# Altium PCB S7CAS-PLEIADES-CARTE-MERE_Pxx.PcbDoc (part 1 of 8)
Units mil, origin at the board's own origin, x right, y up, seen from the top; angles counter-clockwise.
Board outline 8000 x 4000 mil, 14 copper layers (L1, L2 (GND), L3, L4 (GND), L5, L6 (GND), L7 (PWR), L8 (GND), L9 (PWR), L10 (GND), L11 (GND), L12, L13 (GND), L14), stack 81.971 mil thick; 686 components, 434 nets, 2811 pads, 1136 vias.
Unrouted connection lines stored in the file: 1167.
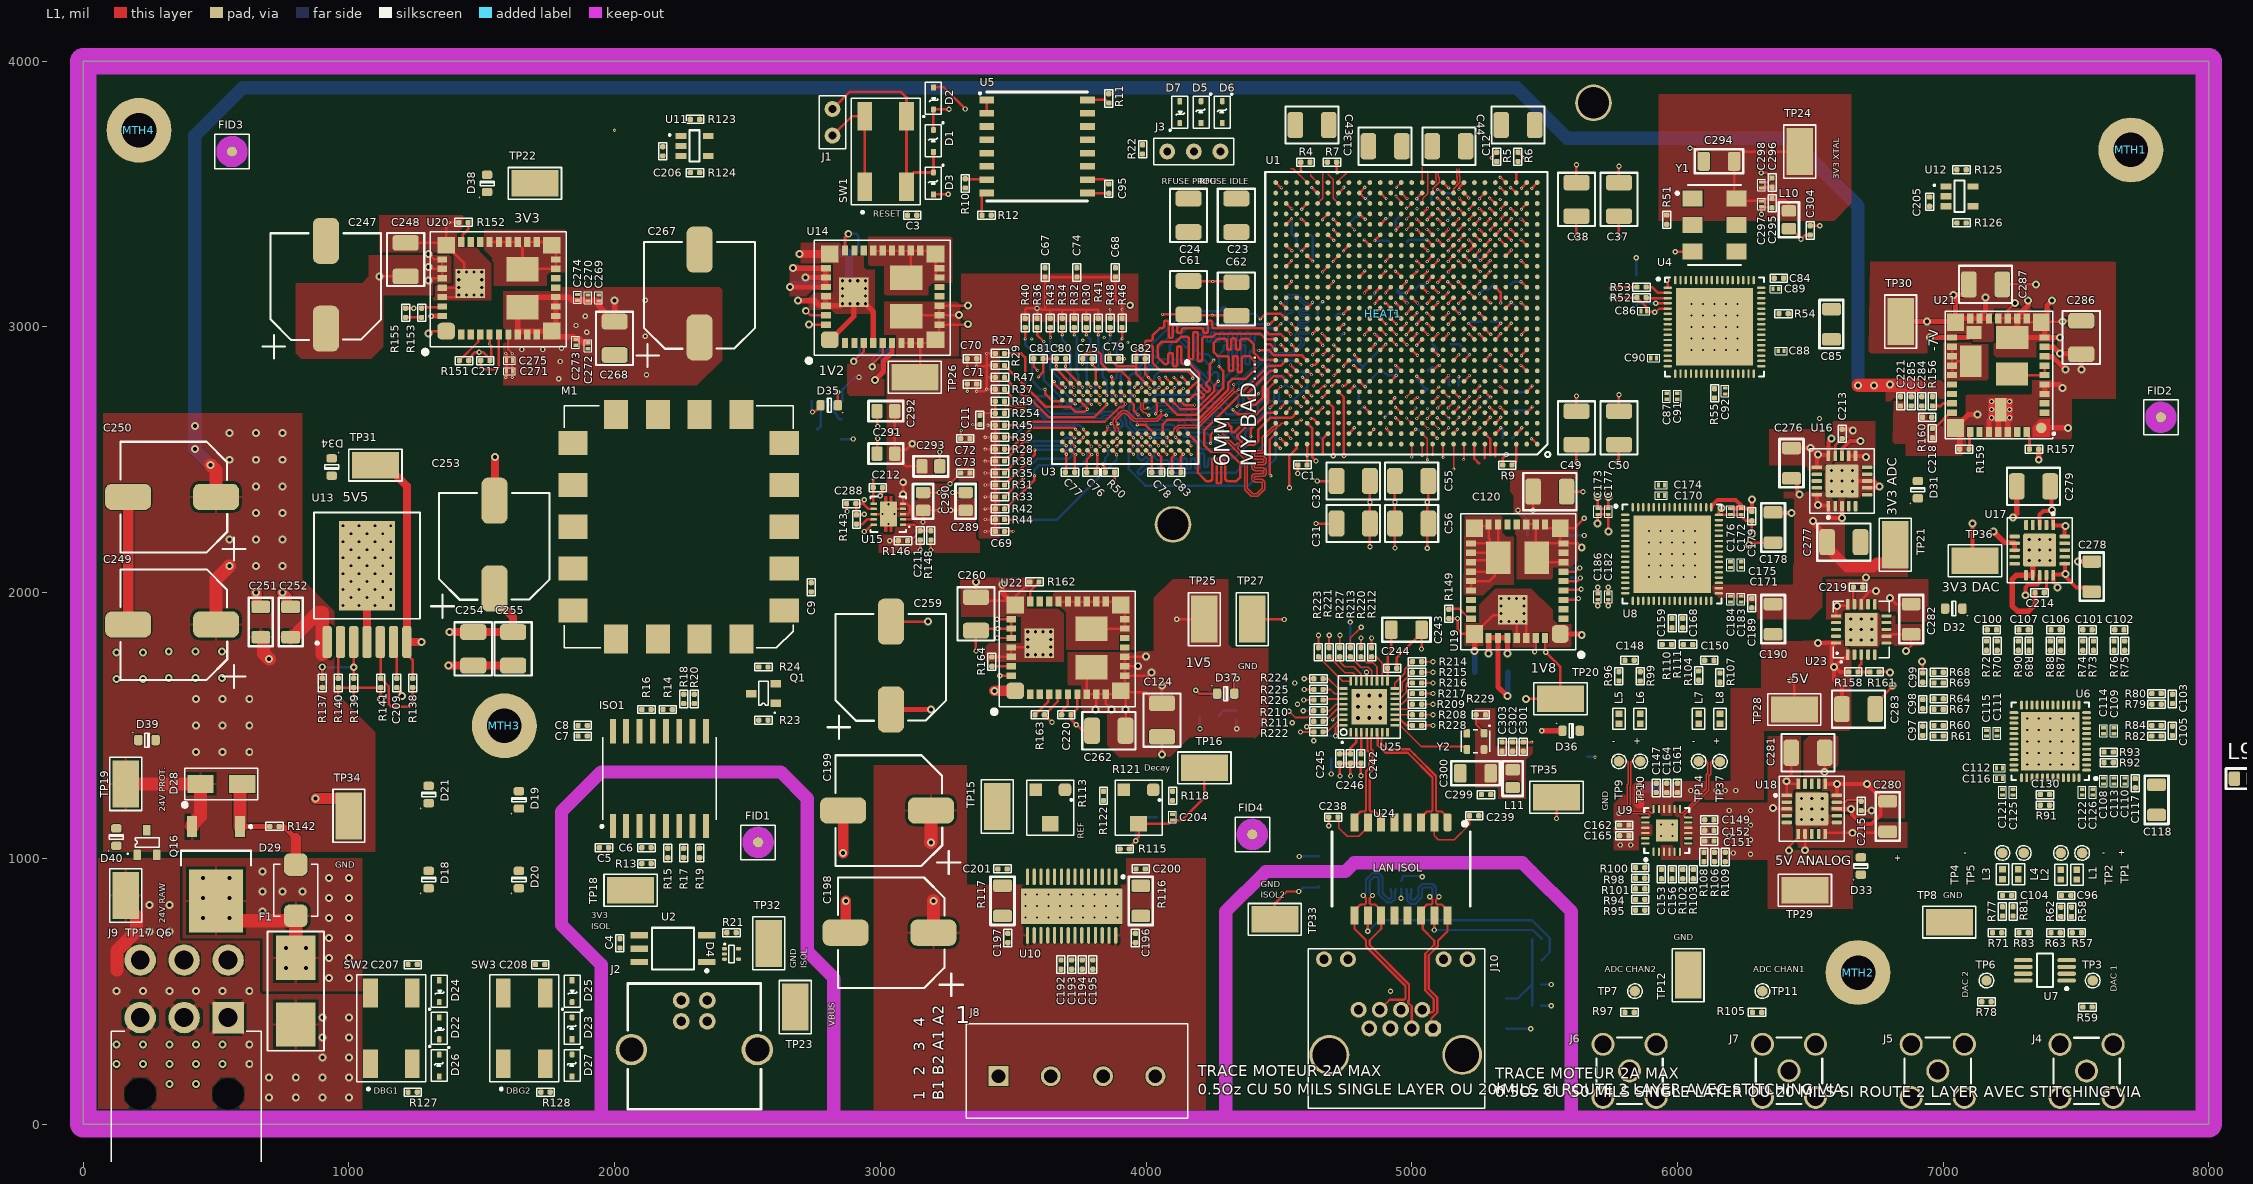
[diagram p0: L1 view]
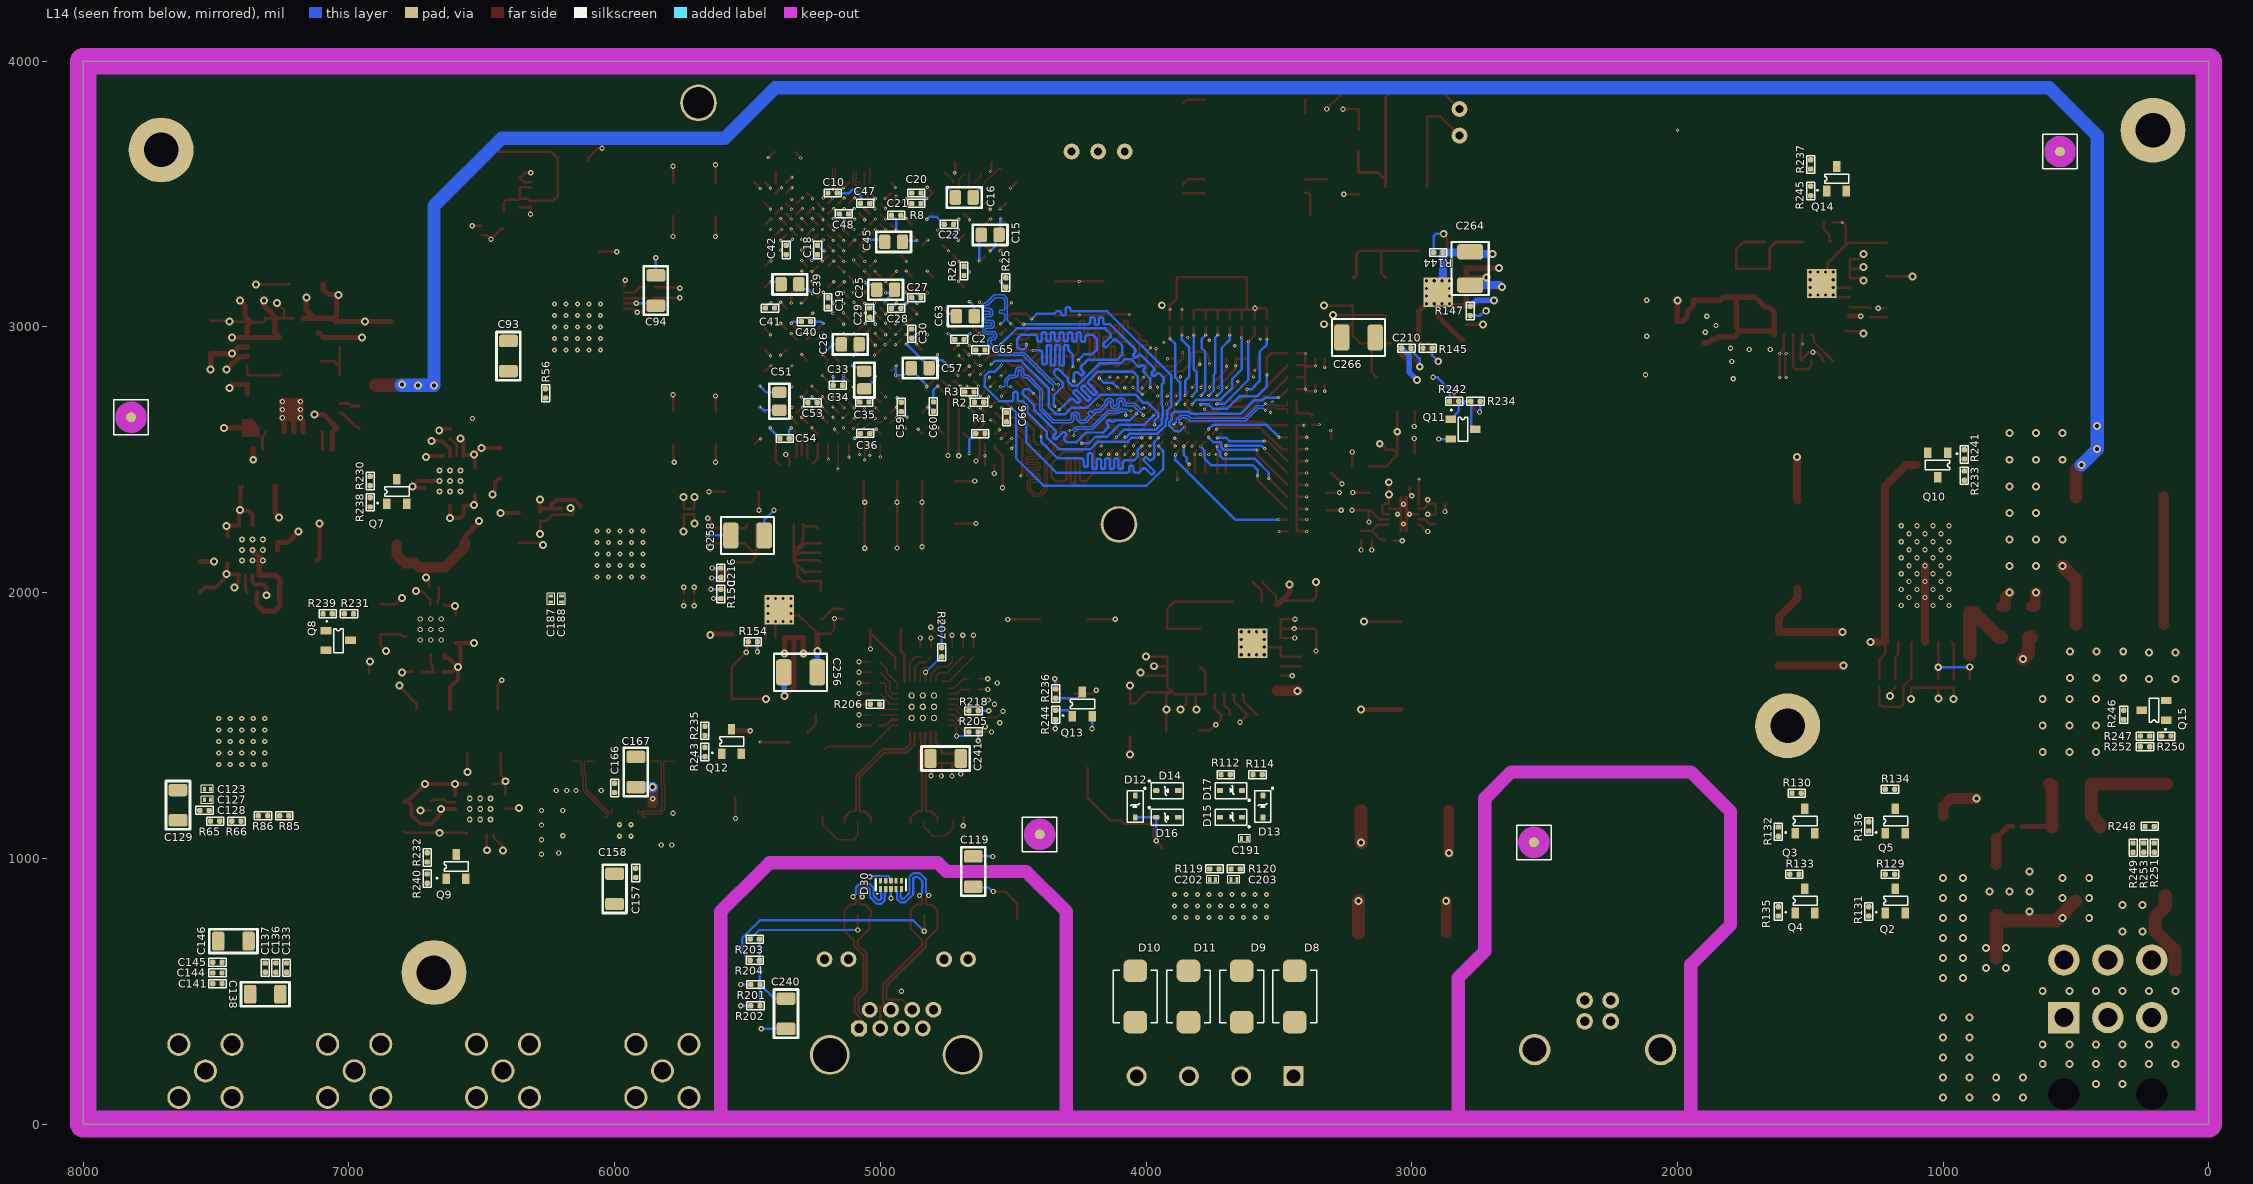
[diagram p1: L14 view, seen from below]
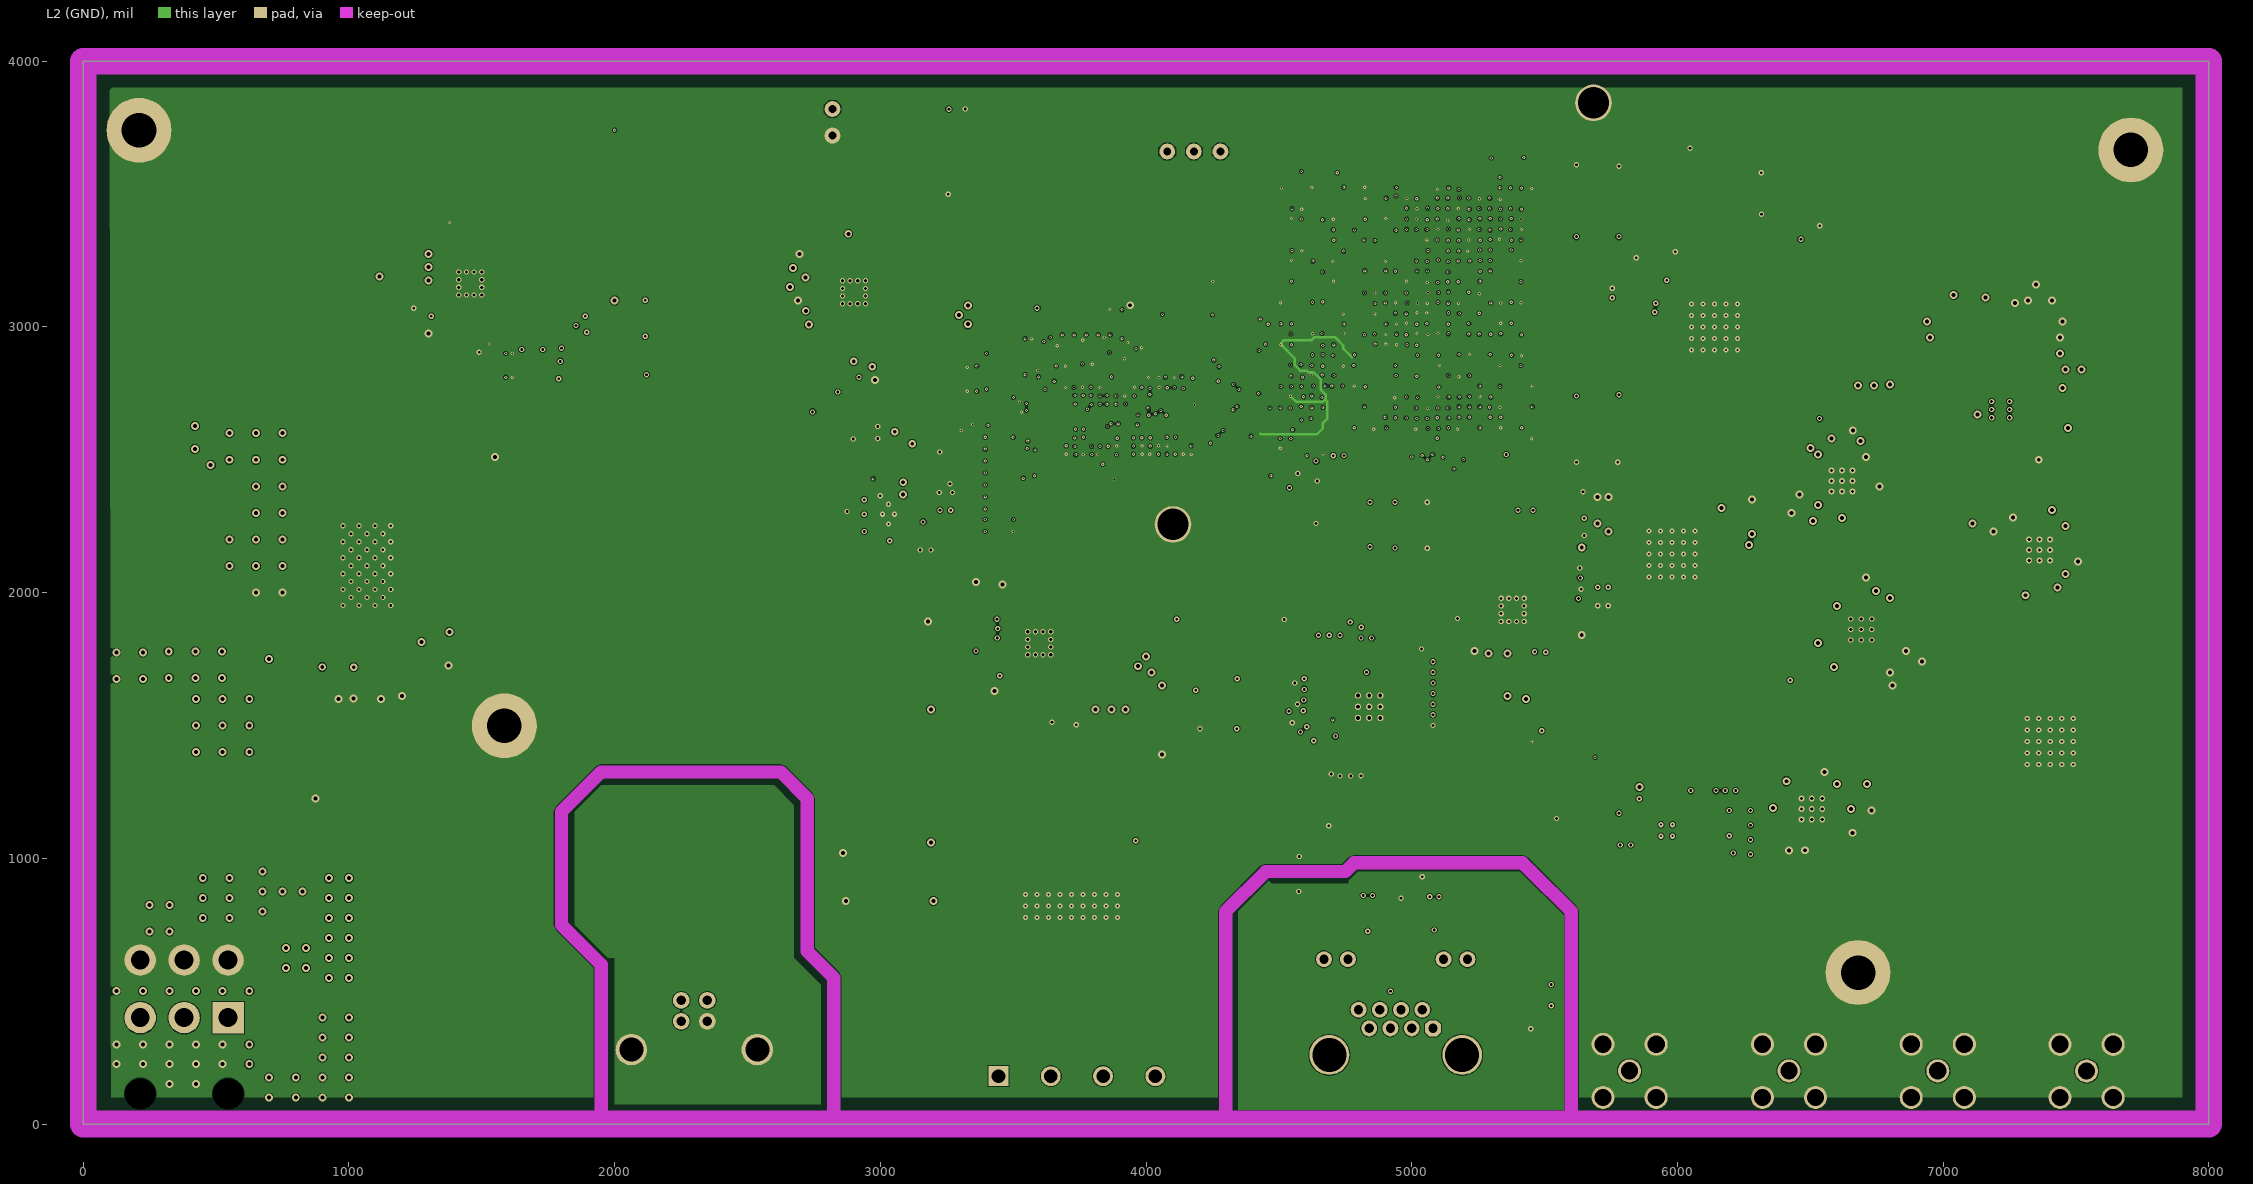
[diagram p2: L2 (GND)]
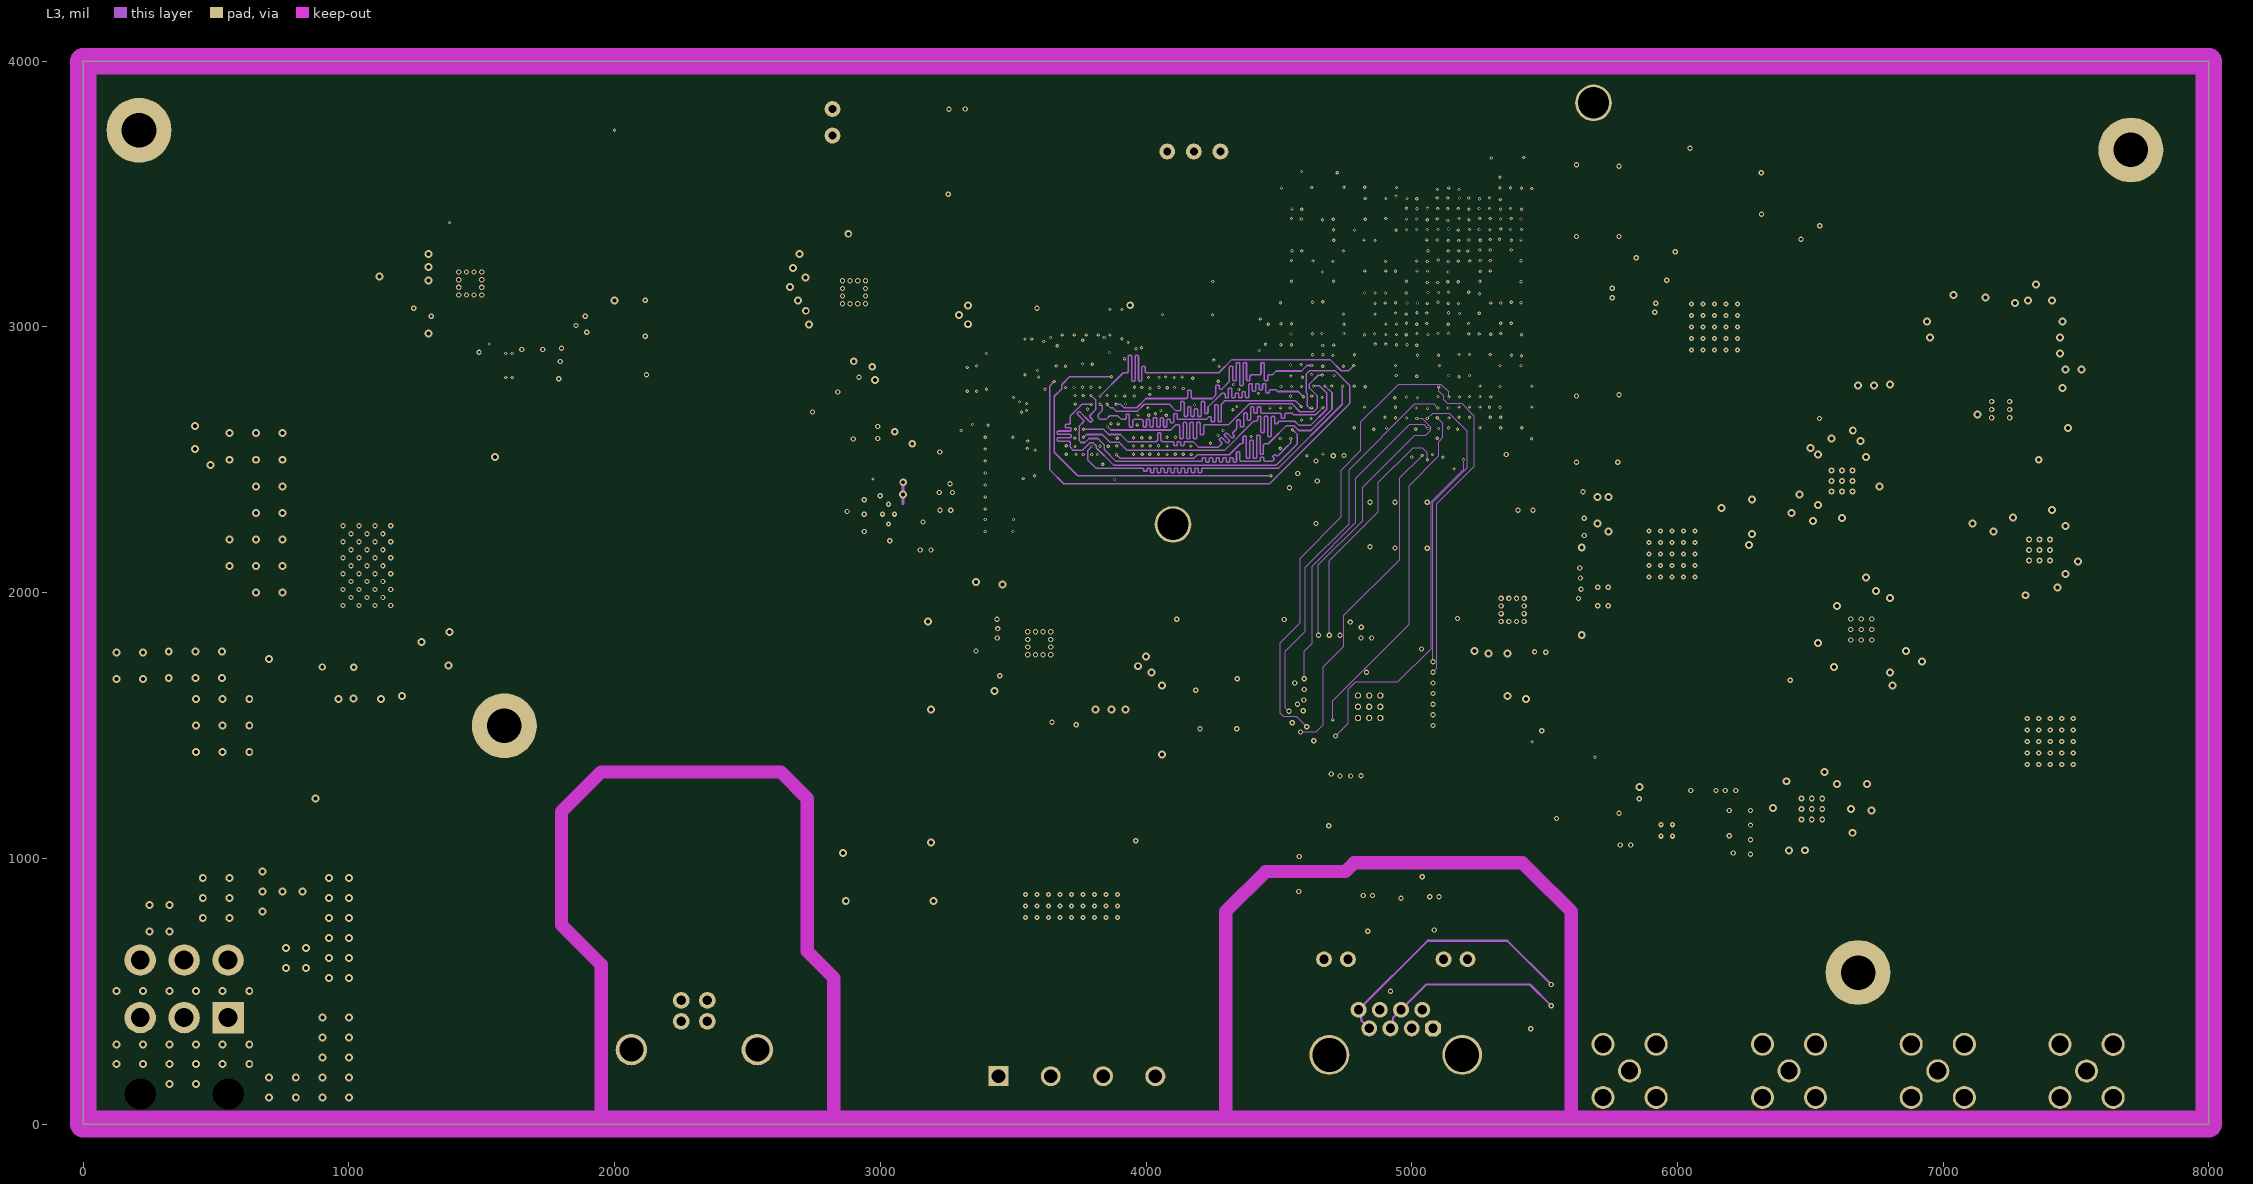
[diagram p3: L3]
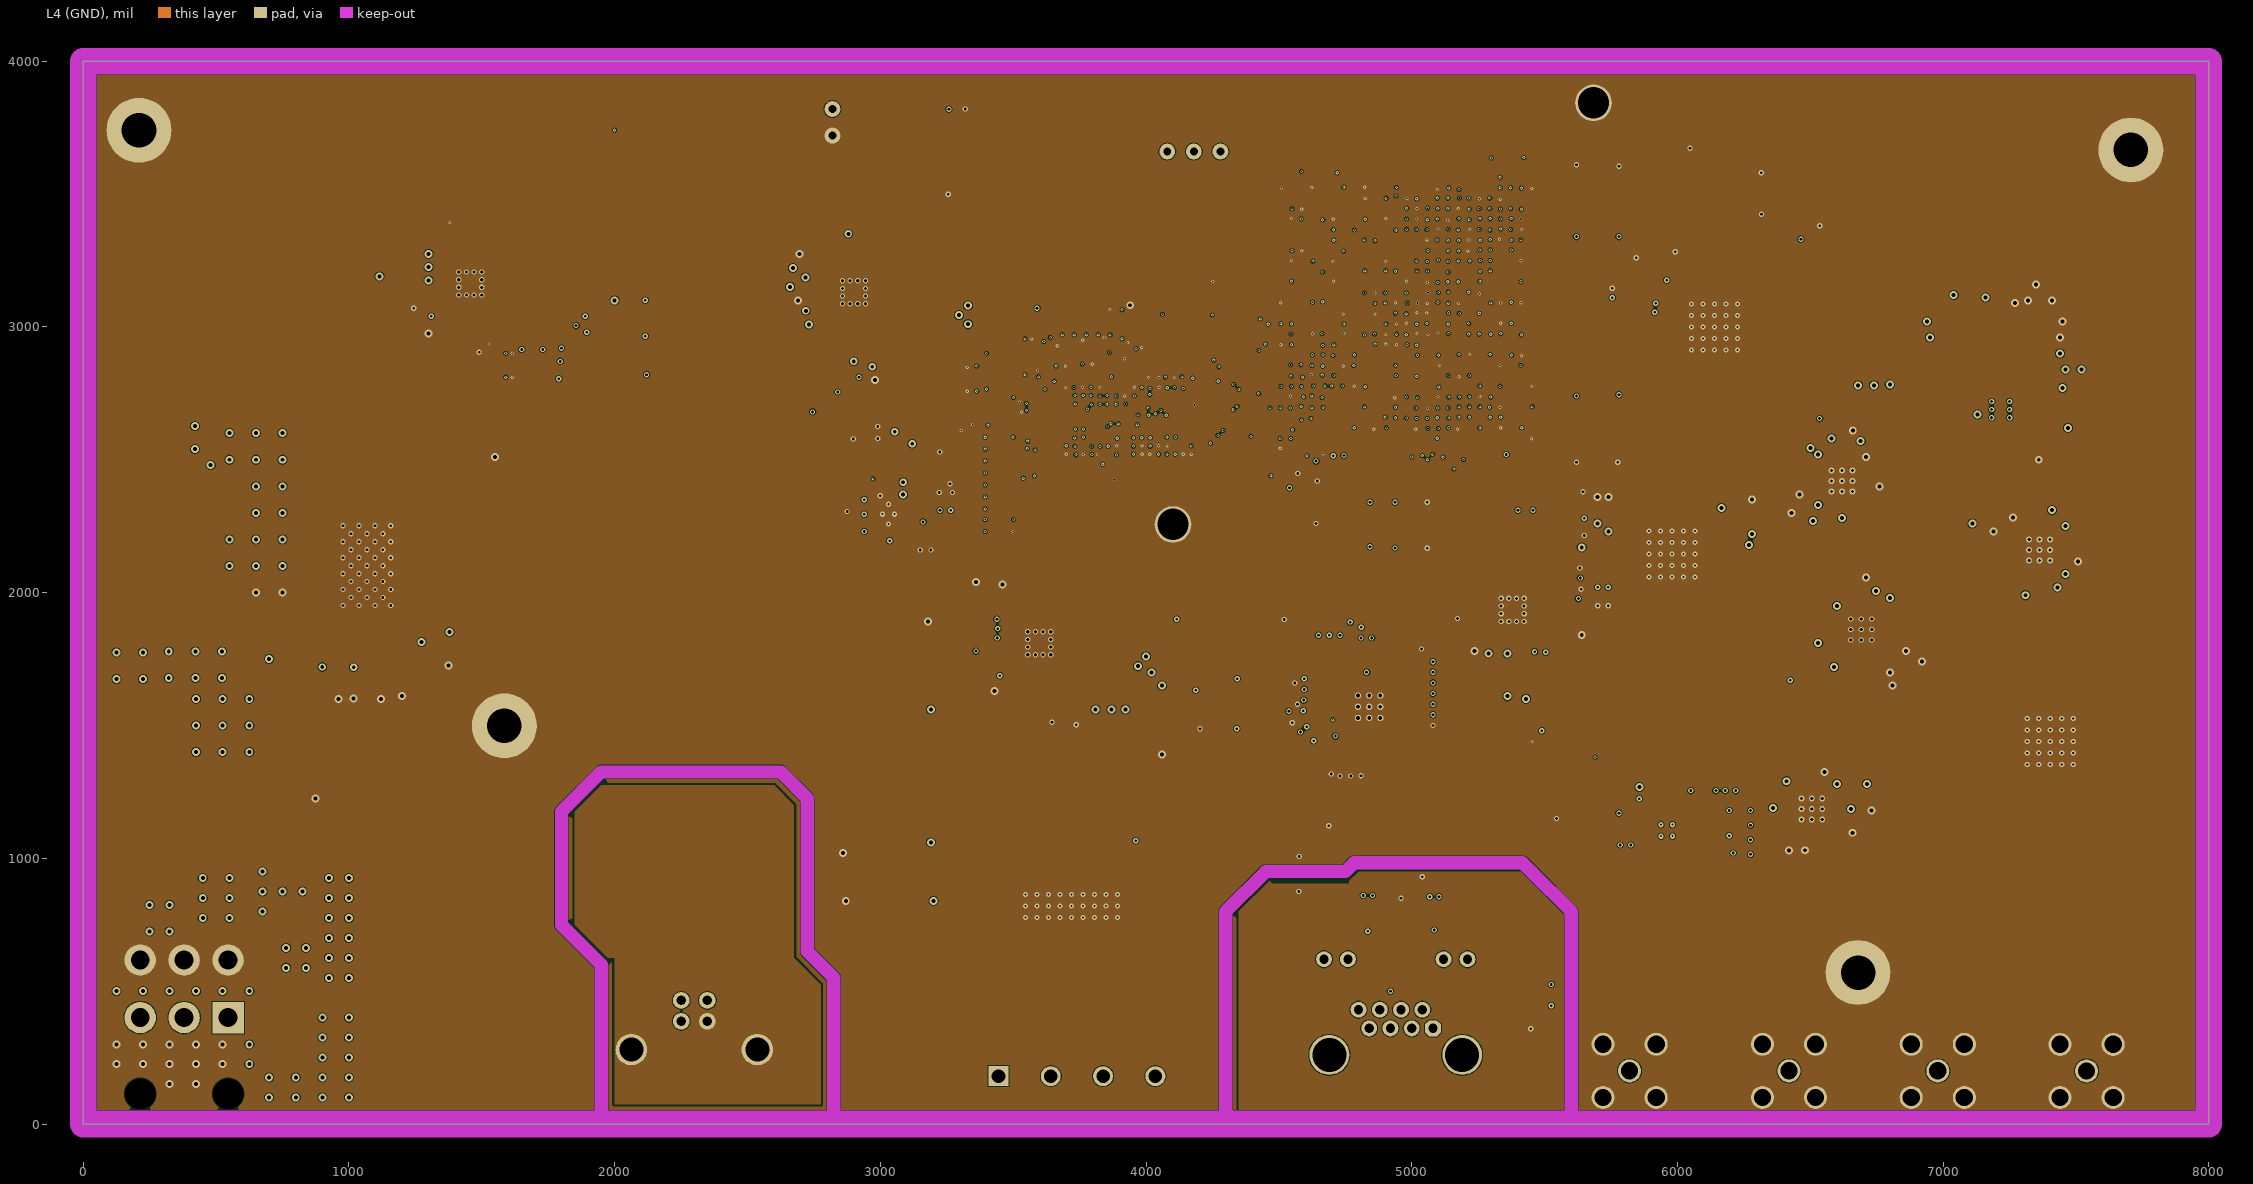
[diagram p4: L4 (GND)]